# Altium PCB v2 PT1000_16CH.PCBDOC (part 3 of 5) (continued)
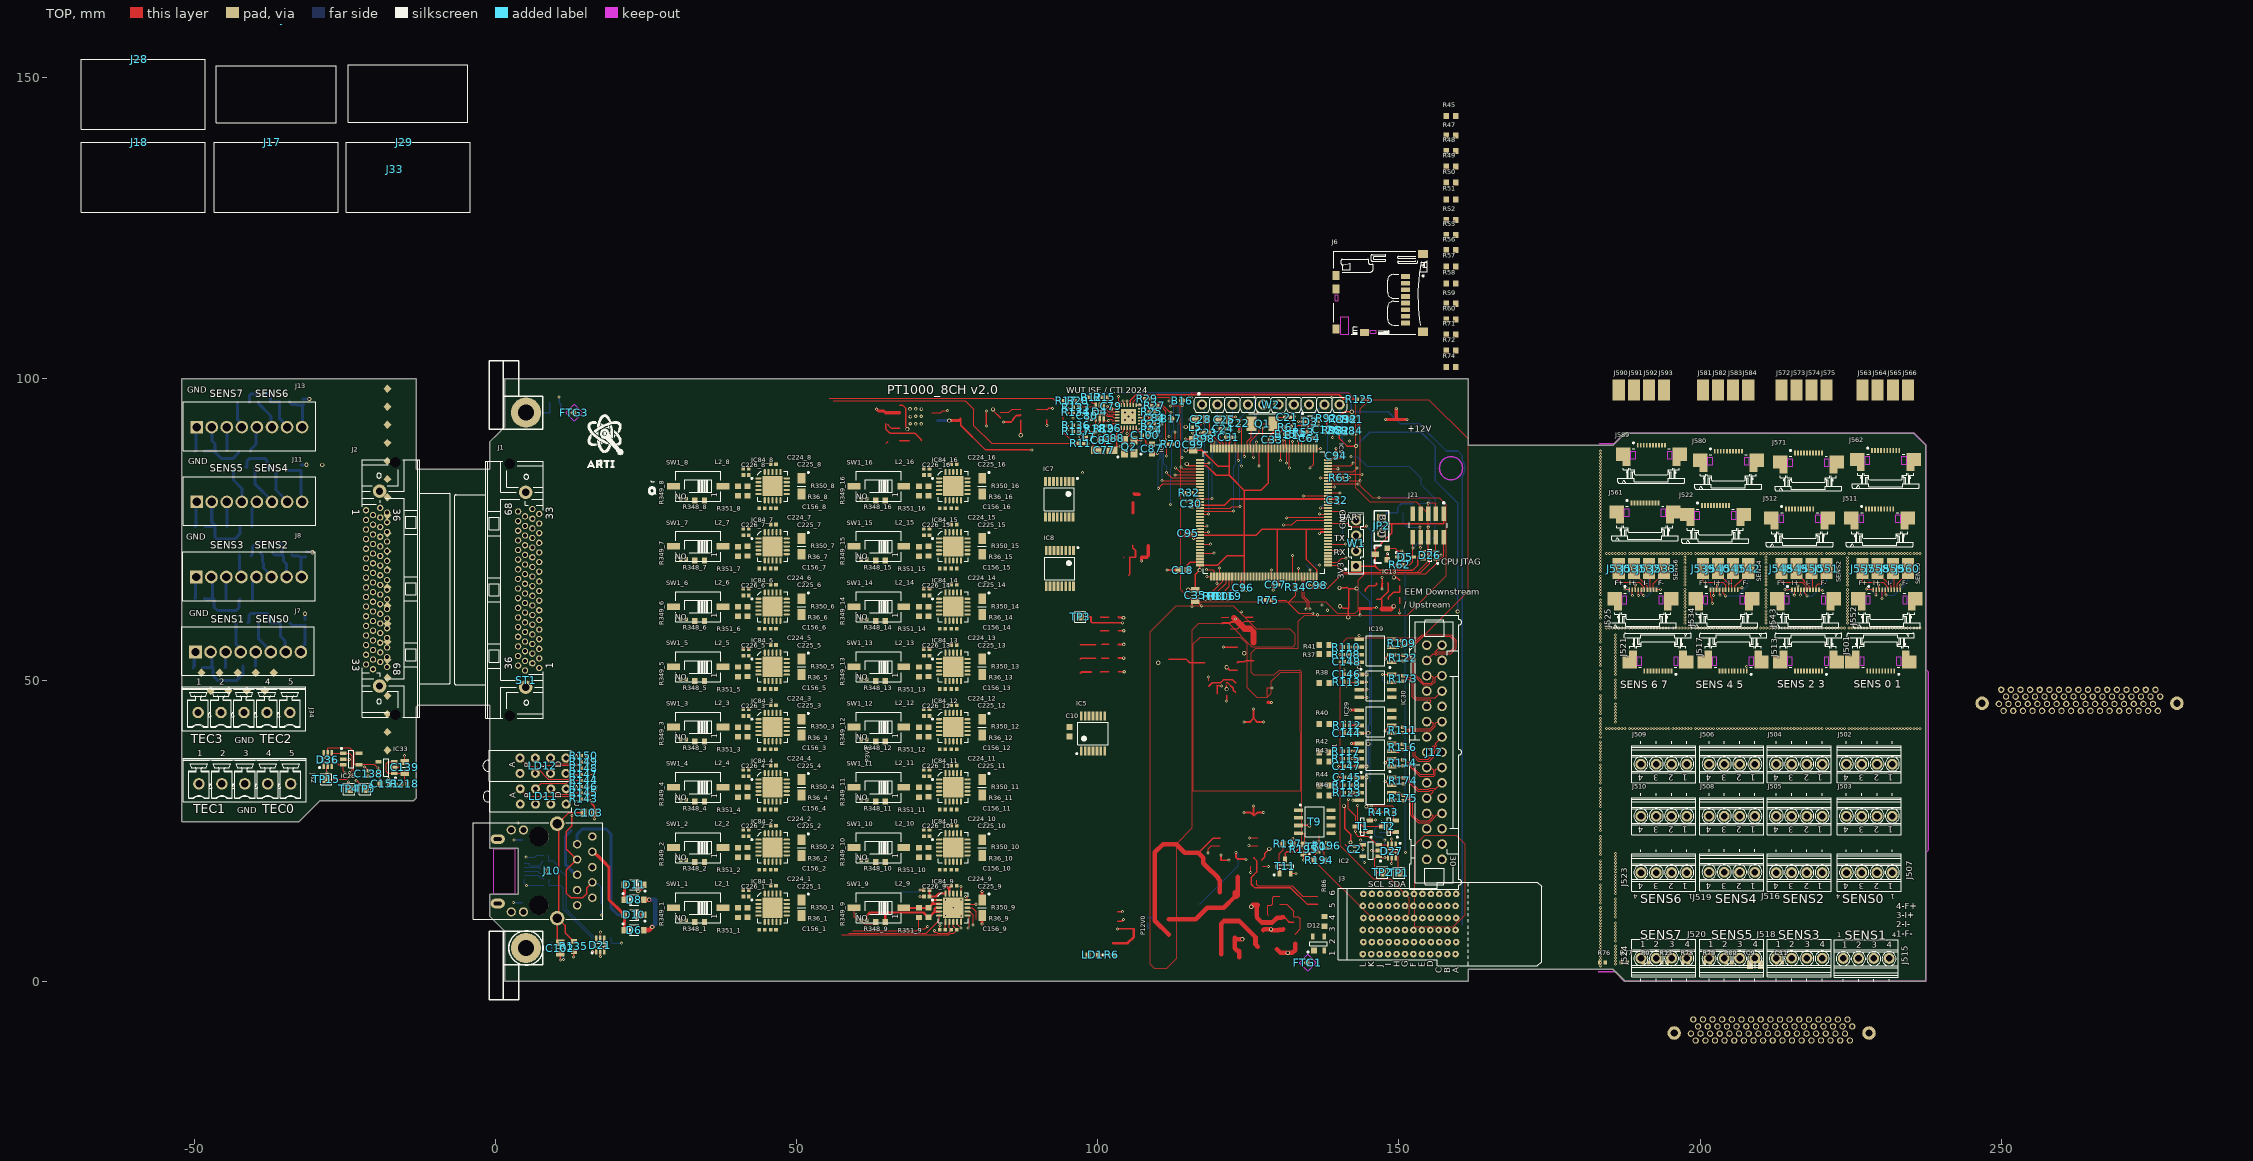
[diagram p0: TOP view]
## Nets (pads, with @x,y where several pads share a name; then routed paths per layer and width w, separated by ;. In a path a pad name is that pad's centre, name@x,y a point inside that pad or via, vN(x,y) a via of type N, cw(c..) or ccw(c..) an arc to the next point about the centre after c; other vN are vias at no path point) (continued)
  TOP w0.127: R143.1@15.135,30.256 15.135,30.276 16.535,31.676 v1(16.595,31.676) ; v1(130.85,75.775) 132.217,75.775 133.01,76.569 IC9.124@138.203,76.569
LED1: IC9.125 R144.1 | length 7.9
  TOP w0.127: R144.1@15.135,33.337 v1(16.055,33.337) ; v1(131.3,76.946) 131.361,77.007 138.142,77.007 IC9.125@138.203,77.069
LED2: IC9.59 R145.1 | length 3.2
  TOP w0.127: R145.1@15.135,31.283 15.615,31.283 16.067,31.735 16.067,31.771 16.519,32.223 16.628,32.223 v1(16.699,32.295) ; IC9.59@116.953,75.569 116.956,75.572 118.097,75.572 v1(118.1,75.575)
LED3: IC9.63 R146.1 | length 2
  TOP w0.127: R146.1@15.135,32.31 15.143,32.319 v1(15.991,32.319) ; v1(115.864,73.494) 116.078,73.494 116.153,73.569 IC9.63@116.953,73.569
LED4: IC9.65 R147.1 | length 2.8
  TOP w0.127: R147.1@15.135,34.364 v1(16.169,34.364) ; IC9.65@116.953,72.569 v1(118.7,72.569)
LED5: IC9.132 R148.1 | length 5.2
  TOP w0.127: R148.1@15.135,35.391 v1(16.34,35.391) ; v1(134.175,80.573) 134.177,80.571 138.201,80.571 IC9.132@138.203,80.569
LED6: IC9.68 R149.1 | length 3.5
  TOP w0.127: R149.1@15.135,36.418 15.41,36.142 v1(16.152,36.142) ; IC9.68@116.953,71.069 v1(119.304,71.069)
LED7: IC9.93 R150.1 | length 2.4
  TOP w0.127: R150.1@15.135,37.445 15.802,36.777 v1(16.176,36.777) ; IC9.93@128.828,67.194 v1(128.828,68.3)
LEDR: IC11.2 R17.1 R28.1 | length 18.5
  TOP w0.152: v1(95.554,89.85) 94.223,91.181 94.223,95.332 95.03,96.14 95.05,96.14 95.264,96.354 R17.1@95.264,96.374 96.264,96.374 R28.1@96.288,96.35 ; v1(103.87,90.942) 104.306,91.378 104.306,91.836 IC11.2@104.37,91.9
  L2 w0.152: v1(95.554,89.85) 98.67,89.85 99.014,90.195 103.122,90.195 v1(103.87,90.942)
LEDY: IC11.3 R11.1 | length 8.9
  TOP w0.152: R11.1@97.67,89.3 97.783,89.187 v1(98.402,89.187) ; v1(104.87,90.941) IC11.3@104.87,91.9
  L2 w0.152: v1(98.402,89.187) 99.13,89.915 103.844,89.915 v1(104.87,90.941)
LVDS0_N: IC19.4 IC23.5 J12.3 R47.2 R109.2 | length 19.1
  TOP w0.152: v1(149.835,56.569) 149.929,56.569 149.996,56.502 150.443,56.502 R109.2@150.495,56.554 150.515,56.554 150.729,56.34 150.729,56.325 150.818,56.236 152.558,56.236 153.869,57.547 158.578,57.547 159.504,56.62 159.504,55.31 158.563,54.369 156.585,54.369 156.396,54.18 156.018,54.18 155.84,54.358 155.714,54.358 J12.3@154.614,53.258
  BOT w0.127: IC23.5@148.794,56.751 148.979,56.566 v1@149.835,56.566
LVDS0_P: IC19.3 IC23.6 J12.2 R45.2 R109.1 | length 17.8
  TOP w0.152: v1(149.835,55.431) 149.929,55.431 149.996,55.498 150.379,55.498 R109.1@150.495,55.614 150.515,55.614 150.729,55.828 150.729,55.843 150.818,55.932 152.684,55.932 153.995,57.243 158.452,57.243 158.685,57.01 158.9,56.794 159.2,56.494 159.2,55.436 158.436,54.673 156.459,54.673 156.27,54.484 156.144,54.484 156.055,54.573 156.055,54.699 J12.2@157.154,55.798
  BOT w0.127: IC23.6@148.794,55.481 148.843,55.431 v1(149.835,55.431)
LVDS1_N: IC19.1 IC23.7 J12.6 R49.2 R122.1 | length 14.9
  TOP w0.152: IC19.1@148.794,52.941 149.269,52.941 149.541,53.213 150.089,53.213 R122.1@150.741,53.213 150.761,53.213 150.975,53.427 150.975,53.442 151.064,53.531 152.148,53.531 152.365,53.313 152.365,50.857 154.021,49.202 155.483,49.202 156.037,49.755 156.037,50.452 156.215,50.63 157.066,50.63 J12.6@157.154,50.718
  BOT w0.127: IC23.7@148.794,54.211 149.724,54.211 150.089,53.847 v1(150.089,53.264)
LVDS1_P: IC19.2 IC23.8 J12.5 R48.2 R122.2 | length 15
  TOP w0.152: v1(147.752,53.507) 147.752,53.581 147.942,53.77 147.942,53.789 148.095,53.942 148.095,53.987 148.319,54.211 IC19.2@148.794,54.211 148.852,54.153 R122.2@150.741,54.153 150.761,54.153 150.975,53.939 150.975,53.924 151.064,53.835 152.274,53.835 152.67,53.44 152.67,50.983 153.156,50.497 153.263,50.39 154.147,49.506 155.357,49.506 155.732,49.882 155.732,50.452 155.553,50.63 154.702,50.63 J12.5@154.614,50.718
  BOT w0.127: v1(147.752,53.507) 147.803,53.457 148.319,52.941 IC23.8@148.794,52.941
LVDS2_N: IC30.7 IC39.1 J12.9 R51.2 R173.1 | length 12.9
  TOP w0.152: IC30.7@148.794,49.667 148.907,49.78 R173.1@150.683,49.78 150.703,49.78 151.07,50.147 151.498,50.147 151.65,50.147 152.233,49.564 152.233,47.261 152.719,46.775 155.231,46.775 155.32,46.686 155.32,46.386 154.614,45.68 J12.9@154.614,45.638
  BOT w0.127: IC39.1@148.794,50.936 149.269,50.936 150.089,50.116 v1(150.089,49.666)
LVDS2_P: IC30.8 IC39.2 J12.8 R50.2 R173.2 | length 15.8
  TOP w0.152: v1(147.287,50.934) 147.289,50.937 150.36,50.937 150.363,50.934 150.469,50.934 R173.2@150.683,50.72 150.703,50.72 150.971,50.452 151.255,50.452 151.776,50.452 152.537,49.69 152.537,47.387 152.845,47.079 155.357,47.079 155.84,47.079 156.055,47.079 J12.8@157.154,48.178
  BOT w0.127: v1(147.287,50.934) 147.287,50.031 147.651,49.666 IC39.2@148.794,49.666
LVDS3_N: IC29.1 IC36.7 J12.12 R55.2 R111.1 | length 11.8
  TOP w0.152: IC29.1@148.794,41.193 148.84,41.24 R111.1@150.647,41.24 150.667,41.24 150.881,41.454 150.881,41.469 150.97,41.558 151.708,41.558 151.73,41.58 155.294,41.58 156.037,42.322 156.037,42.843 156.215,43.022 157.078,43.022 J12.12@157.154,43.098
  BOT w0.127: IC36.7@148.794,42.463 149.724,42.463 150.089,42.099 v1@150.089,41.193
  other v1: 150.039,41.193
LVDS3_P: IC29.2 IC36.8 J12.11 R52.2 R111.2 | length 12
  TOP w0.152: v1(147.651,41.578) 148.118,42.045 148.118,42.239 148.342,42.463 IC29.2@148.794,42.463 149.269,42.463 149.552,42.18 R111.2@150.647,42.18 150.667,42.18 150.881,41.966 150.881,41.951 150.97,41.862 151.582,41.862 151.604,41.884 155.168,41.884 155.732,42.448 155.732,42.843 155.553,43.022 154.691,43.022 J12.11@154.614,43.098
  BOT w0.127: v1(147.651,41.578) 147.681,41.578 147.829,41.43 148.557,41.43 IC36.8@148.794,41.193
LVDS4_N: IC31.4 IC40.5 J12.15 R57.2 R116.2 | length 13.1
  TOP w0.127: IC31.4@148.794,39.466 v1(149.835,39.466) 150.251,39.466 R116.2@150.4,39.317
  TOP w0.152: R116.2@150.6,39.332 150.62,39.332 150.834,39.118 150.834,39.103 150.923,39.014 152.269,39.014 152.712,38.571 152.712,37.469 153.346,36.835 154.903,36.835 155.642,37.575 155.642,38.355 155.929,38.642 155.929,39.029 155.84,39.118 155.714,39.118 J12.15@154.614,38.018
  BOT w0.127: IC40.5@148.794,39.466 v1(149.835,39.466)
LVDS4_P: IC31.3 IC40.6 J12.14 R56.2 R116.1 | length 14.1
  TOP w0.152: IC31.3@148.794,38.196 148.989,38.392 R116.1@150.6,38.392 150.62,38.392 150.834,38.606 150.834,38.621 150.923,38.71 152.143,38.71 152.282,38.571 152.408,38.444 152.408,37.343 152.497,37.254 153.22,36.531 155.029,36.531 155.947,37.449 155.947,38.229 156.233,38.516 156.233,39.155 156.055,39.333 156.055,39.459 J12.14@157.154,40.558
  BOT w0.127: IC40.6@148.794,38.196 v1(149.835,38.196)
LVDS5_N: IC31.1 IC40.7 J12.18 R59.2 R114.1 | length 12.5
  TOP w0.152: IC31.1@148.794,35.656 148.942,35.805 R114.1@150.667,35.805 150.687,35.805 150.901,36.019 150.901,36.034 150.99,36.123 151.205,36.123 151.323,36.004 151.478,36.004 152.193,35.289 152.193,35.266 153.362,34.096 153.398,34.096 153.436,34.058 155.784,34.058 156.037,34.31 156.037,35.069 156.225,35.258 156.934,35.258 J12.18@157.154,35.478
  BOT w0.127: IC40.7@148.794,36.926 149.269,36.926 149.505,36.69 149.505,36.414 149.988,35.932 v1(149.988,35.656)
LVDS5_P: IC31.2 IC40.8 J12.17 R58.2 R114.2 | length 12.7
  TOP w0.152: v1(147.725,36.275) 148.095,36.645 148.095,36.702 148.319,36.926 IC31.2@148.794,36.926 148.975,36.745 R114.2@150.667,36.745 150.687,36.745 150.901,36.531 150.901,36.516 150.99,36.427 151.485,36.427 152.497,35.415 152.497,35.392 152.737,35.152 153.552,34.337 155.669,34.337 155.758,34.426 155.758,35.044 155.544,35.258 154.835,35.258 J12.17@154.614,35.478
  BOT w0.127: v1(147.725,36.275) 147.725,36.25 148.319,35.656 IC40.8@148.794,35.656
LVDS6_N: IC32.7 IC41.1 J12.21 R71.2 R174.1 | length 12.3
  TOP w0.152: v1(147.725,33.197) 148.126,32.796 148.126,32.784 148.35,32.56 IC32.7@148.825,32.56 149.3,32.56 149.544,32.804 R174.1@150.741,32.804 150.761,32.804 150.975,33.018 150.975,33.033 151.064,33.122 151.525,33.122 153.11,31.537 155.062,31.537 155.238,31.713 155.625,31.713 155.714,31.624 155.714,31.498 J12.21@154.614,30.398
  BOT w0.127: v1(147.725,33.197) 147.725,33.205 148.35,33.83 IC41.1@148.825,33.83
LVDS6_P: IC32.8 IC41.2 J12.20 R60.2 R174.2 | length 11.8
  TOP w0.152: IC32.8@148.825,33.83 148.911,33.744 R174.2@150.741,33.744 150.761,33.744 150.975,33.53 150.975,33.515 151.064,33.426 151.651,33.426 152.157,32.92 152.448,32.63 153.236,31.842 154.936,31.842 155.112,32.017 155.751,32.017 155.929,31.839 156.055,31.839 J12.20@157.154,32.938
  BOT w0.127: IC41.2@148.825,32.56 149.3,32.56 149.537,32.797 149.537,33.197 150.089,33.749 v1(150.089,33.83)
LVDS7_N: IC32.5 IC41.4 J12.24 R74.2 R175.2 | length 13.3
  TOP w0.152: IC32.5@148.825,30.02 148.917,29.928 R175.2@150.741,29.928 150.761,29.928 150.975,30.142 150.975,30.157 151.064,30.246 151.536,30.246 151.977,29.805 151.977,27.518 153.174,26.321 155.055,26.321 156.037,27.303 156.037,27.429 156.235,27.628 156.924,27.628 J12.24@157.154,27.858
  BOT w0.127: IC41.4@148.825,30.02 v1(149.988,30.02)
LVDS7_P: IC32.6 IC41.3 J12.23 R72.2 R175.1 | length 12.9
  TOP w0.152: IC32.6@148.825,31.29 v1(149.988,31.29) 150.292,30.986 150.624,30.986 R175.1@150.741,30.868 150.761,30.868 150.975,30.654 150.975,30.64 151.064,30.551 151.662,30.551 151.797,30.415 152.282,29.931 152.282,27.644 152.497,27.429 153.3,26.626 154.929,26.626 155.669,27.366 155.669,27.492 155.533,27.628 154.845,27.628 J12.23@154.614,27.858
  BOT w0.127: IC41.3@148.825,31.29 v1(149.988,31.29)
MAX_CH_A0: IC7.1 IC8.1 IC9.141 R42.1 | length 1.7
  TOP w0.127: IC9.141@138.203,85.069 138.214,85.079 139.842,85.079 v1(139.852,85.09)
MAX_CH_A1: IC7.2 IC8.2 IC9.142 R43.1 | length 4.4
  TOP w0.127: IC9.142@138.203,85.569 139.997,85.569 141.983,85.569 142.41,85.996 v1(142.41,86.02)
MAX_CH_A2: IC7.3 IC8.3 IC9.1 R44.1 | length 41.8
  TOP w0.127: IC9.1@136.328,88.444 136.939,88.444 v1(136.951,88.455)
  L2 w0.127: v1(97.48,84.43) 109.556,84.43 112.754,87.628 115.759,87.628 116.153,88.023 136.518,88.023 v1(136.951,88.455)
MAX_CH_A3: IC7.5 IC8.6 IC9.2 R46.1 | length 3.4
  TOP w0.127: v1(135.228,85.244) 135.828,85.843 135.828,86.842 IC9.2@135.828,88.444
MAX_CS00: IC7.15 IC84_1.13
MAX_CS01: IC7.14 IC84_2.13
MAX_CS02: IC7.13 IC84_3.13
MAX_CS03: IC7.12 IC84_4.13
MAX_CS04: IC7.11 IC84_5.13
MAX_CS05: IC7.10 IC84_6.13
MAX_CS06: IC7.9 IC84_7.13
MAX_CS07: IC7.7 IC84_8.13
MAX_CS08: IC8.15 IC84_9.13 | length 3
  TOP w0.2: IC84_9.13@78.35,12.2 78.377,12.174 79.115,12.174 79.787,11.502 79.787,10.249
MAX_CS09: IC8.14 IC84_10.13
MAX_CS10: IC8.13 IC84_11.13
MAX_CS11: IC8.12 IC84_12.13
MAX_CS12: IC8.11 IC84_13.13
MAX_CS13: IC8.10 IC84_14.13
MAX_CS14: IC8.9 IC84_15.13
MAX_CS15: IC8.7 IC84_16.13
NetC17_2: C17.2 IC9.106 | length 2.3
  TOP w0.127: v1(135.228,68.3) 135.328,68.2 IC9.106@135.328,67.194
  BOT w0.127: C17.2@134.519,69.119 135.157,68.481 135.157,68.371 v1(135.228,68.3)
NetC18_2: C18.2 IC9.71 | length 3.1
  TOP w0.254: C18.2@114.862,68.269 114.862,69.104 115.327,69.569 IC9.71@116.953,69.569
NetC21_1: C21.1 IC9.23 Q1.1 | length 9.2
  TOP w0.127: IC9.23@125.328,88.444 125.328,89.675 126.774,91.121 126.774,91.862 127.496,92.584 Q1.1@129.217,92.584 130.004,93.371 130.004,93.63 C21.1@131.035,93.63
NetC22_1: C22.1 IC9.24 Q1.2 | length 6.8
  TOP w0.127: C22.1@123.435,93.107 123.578,93.25 124.389,93.25 124.851,93.25 Q1.2@125.517,92.584 125.5,92.567 125.5,90.3 124.828,89.628 IC9.24@124.828,88.444
NetC23_1: C23.1 C28.2 IC9.33 L5.1 | length 7.8
  TOP w0.127: L5.1@116.613,91.951 117.335,92.673 117.891,92.673 C28.2@118.144,92.926 ; C28.2@118.022,93.301 118.144,93.179 C28.2@118.144,92.926 ; IC9.33@120.328,88.444 120.328,89.319 C23.1@118.547,91.1 118.547,92.524 118.533,92.537 118.533,92.64 118.247,92.926 C28.2@118.144,92.926
NetC24_1: C24.1 C25.2 IC9.32 R70.1 | length 15.1
  TOP w0.127: R70.1@112.621,89.175 112.824,89.378 v1(112.824,91.175) ; C25.2@120.051,93.262 120.328,92.985 120.328,91.732 120.258,91.662 v1@120.258,91.025 ; v1(120.258,90.978) 120.328,90.908 120.328,89.85 120.828,89.35 IC9.32@120.828,88.444
  L2 w0.127: v1(112.824,91.175) 113.152,91.503 113.257,91.503 115.885,91.471 116.481,91.393 ccw(c116.549,91.93) 116.862,91.489 119.702,91.534 v1(120.258,90.978)
NetC36_2: C36.2 IC11.4 Q2.3 | length 5.1
  TOP w0.127: v1(103.693,88.75) 103.977,89.034 103.977,89.407 Q2.3@104.42,89.85 104.42,89.975 104.931,90.487 105.038,90.487 105.37,90.818 IC11.4@105.37,91.9
  BOT w0.127: v1@103.795,88.85 C36.2@104.67,89.725
NetC64_1: C64.1 IC9.6 | length 2.3
  TOP w0.127: IC9.6@133.828,88.444 133.828,89.537 134.232,89.941 134.506,89.941 C64.1@134.753,90.187
NetC65_2: C65.2 IC11.5 Q2.1 | length 5.4
  TOP w0.127: v1(105.668,88.75) 105.668,88.002 Q2.1@106.02,87.65 ; v1(105.87,91.03) IC11.5@105.87,91.9
  L2 w0.127: v1(105.668,88.75) 105.668,90.727 105.87,90.929 v1(105.87,91.03)
  BOT w0.127: C65.2@105.139,88.005 105.596,88.462 105.596,88.679 v1(105.668,88.75)
NetC87_2: C87.2 C100.2 IC11.6 | length 4.3
  TOP w0.254: IC11.6@106.37,91.9 106.383,91.887 106.383,91.682 106.797,91.268 106.797,91.223 107.578,90.442 107.578,90.129 107.937,89.769 107.937,89.361 108.123,89.175 C87.2@108.97,89.175
NetC102_1: C102.1 C103.1 J10.S1 J10.S2 R135.2 | length 30.5
  TOP w0.254: J10.S2@10.239,10.465 10.239,6.81 10.637,6.412 C102.1@10.754,6.412 ; J10.S2@10.239,10.565 10.434,10.37 J10.S2@10.504,10.3 ; R135.2@13,6.6 12.95,6.6 12.627,6.923 12.627,6.973 11.547,8.053 11.547,9.257 J10.S2@10.504,10.3 ; C103.1@14.6,28 12.184,28 10.239,26.055 10.504,25.79 J10.S2@10.504,10.3
NetC109_2: C109.2 D21.5 FB1.1 R73.2 | length 20.2
  TOP w0.127: D21.5@17.4,7.1 17.4,8.135 v1(17.404,8.138)
  BOT w0.127: C109.2@8.823,20.955 8.858,20.92 FB1.1@8.858,20.005 9.545,20.005 10.268,19.282 10.268,18.86 11.719,17.408 11.719,11.929 16.373,7.275 R73.2@17.575,7.275 ; R73.2@17.404,7.397 v1(17.404,8.138)
NetC128_2: C128.2 J7.8 L10.1 R155.2 | length 7.3
  BOT w0.5: R155.2@-34.125,59.461 -34.125,59.411 -33.925,59.211 -33.875,59.211 -33.767,59.103 L10.1@-32.715,59.103 -31.684,59.103 C128.2@-31.623,59.164 -31.623,55.891 -32.323,55.191 J7.8@-32.323,54.812
NetC129_2: C129.2 J8.8 L11.1 R161.2 | length 5.4
  BOT w0.5: R161.2@-33.82,70.841 -33.82,70.791 -33.62,70.591 -32.643,70.591 L11.1@-32.487,70.434 ; J8.8@-32.309,67.437 -32.325,67.453 -32.325,70.356 -32.375,70.406 L11.1@-32.385,70.406 -32.335,70.456 -31.576,70.456 C129.2@-31.521,70.51
NetC130_2: C130.2 J11.8 L12.1 R166.2 | length 7.9
  BOT w0.5: R166.2@-34.849,85.242 -34.849,85.192 -34.449,84.792 C130.2@-32.334,84.792 -32.274,84.732 -32.274,79.884 J11.8@-32.123,79.732
NetC131_2: C131.2 J13.8 L13.1 R180.2 | length 6.3
  BOT w0.5: R180.2@-34.252,96.215 -34.252,96.165 -33.841,95.754 -33.07,95.754 L13.1@-33.02,95.704 C131.2@-32.014,95.704 ; C131.2@-32.004,95.714 C131.2@-32.014,95.704 ; J13.8@-31.902,92.1 -32.063,92.261 -32.063,95.656 C131.2@-32.014,95.704 ; C131.2@-31.877,95.758 -31.931,95.704 C131.2@-32.014,95.704
NetC139_1: C139.1 IC33.1 IC33.3 R218.2 | length 8
  TOP w0.127: IC33.3@-16.846,36.45 -17.804,36.45 -18.186,36.068 -18.186,34.823 -17.913,34.55 IC33.1@-16.846,34.55 -15.146,34.55 C139.1@-15.096,34.6 -15.096,33.24 -14.626,32.77 R218.2@-14.626,32.75
NetC160_1: C160.1 R220.2 ST1.1 | length 5.8
  BOT w0.254: ST1.1@5.056,94.412 8.925,94.412 C160.1@9.025,94.312 9.025,95.991 R220.2@8.942,96.074
NetC161_1: C161.1 R223.2 ST1.0 | length 6.3
  BOT w0.254: ST1.0@5.056,5.512 7.863,5.512 8.475,4.9 9.289,4.9 C161.1@9.307,4.883 ; R223.2@9.307,6.487 C161.1@9.307,4.883 ; C161.1@9.439,4.75 C161.1@9.307,4.883
NetC226_1_2: C226_1.2 IC84_1.20 L2_1.1
NetC226_2_2: C226_2.2 IC84_2.20 L2_2.1
NetC226_3_2: C226_3.2 IC84_3.20 L2_3.1
NetC226_4_2: C226_4.2 IC84_4.20 L2_4.1
NetC226_5_2: C226_5.2 IC84_5.20 L2_5.1
NetC226_6_2: C226_6.2 IC84_6.20 L2_6.1
NetC226_7_2: C226_7.2 IC84_7.20 L2_7.1
NetC226_8_2: C226_8.2 IC84_8.20 L2_8.1
NetC226_9_2: C226_9.2 IC84_9.20 L2_9.1 | length 4
  TOP w0.381: L2_9.1@72.083,15.186 72.066,15.17 72.066,14.067 C226_9.2@72.05,14.05 73.117,14.05 73.617,14.55 IC84_9.20@74.7,14.55
NetC226_10_2: C226_10.2 IC84_10.20 L2_10.1
NetC226_11_2: C226_11.2 IC84_11.20 L2_11.1
NetC226_12_2: C226_12.2 IC84_12.20 L2_12.1
NetC226_13_2: C226_13.2 IC84_13.20 L2_13.1
NetC226_14_2: C226_14.2 IC84_14.20 L2_14.1
NetC226_15_2: C226_15.2 IC84_15.20 L2_15.1
NetC226_16_2: C226_16.2 IC84_16.20 L2_16.1
NetFB1_2: FB1.2 J9.1 | length 3.8
  BOT w0.127: J9.1@4.8,19.55 5.485,19.55 5.559,19.476 5.559,19.321 5.671,19.209 7.329,19.209 7.701,19.582 7.701,19.769 FB1.2@7.938,20.005
NetFB2_2: FB2.2 J9.4 | length 3.5
  BOT w0.127: J9.4@4.8,17.6 7.019,17.6 7.448,17.171 7.789,17.171 8.025,16.935 FB2.2@8.025,16.925
NetIC1_3: IC1.3 R5.2 R6.1 | length 6.6
  TOP w0.127: 138.203,78.069 138.25,78.022 140.613,78.022 v1(140.66,77.975)
  BOT w0.127: v1(140.66,73.88) v1(140.66,77.975)
NetIC9_48: IC9.48 R32.1 | length 2.3
  TOP w0.127: v1(113.787,80.985) 113.793,80.979 114.153,80.979 114.243,81.069 R32.1@114.683,81.069 ; 115.623,81.069 IC9.48@116.953,81.069
NetIC9_101: IC9.101 R34.1 | length 1.3
  TOP w0.127: R34.1@132.828,65.869 IC9.101@132.828,67.194
NetIC9_114: IC9.114 R197.2 T11.1 | length 8.4
  TOP w0.127: v1(129.45,22.784) R197.2@130.75,22.784 130.75,22.734 130.75,21.816 130.137,21.203 T11.1@130.137,17.921 ; IC9.114@138.203,71.569 138.223,71.548 140.18,71.548 v1(140.2,71.528)
NetIC9_138: IC9.138 JP2.2 R63.1 | length 19.2
  TOP w0.127: v1(136.951,83.569) IC9.138@138.203,83.569 139.699,83.569 R63.1@139.73,83.6
  L2 w0.127: v1(136.951,83.569) 136.951,82.049 138.65,80.35 142.653,80.35 145.247,77.756 145.247,75.103 146.029,74.321 JP2.2@147.131,74.321
NetIC11_7: IC11.7 R21.2 R24.2 | length 2.7
  TOP w0.127: IC11.7@107.02,92.55 107.225,92.55 107.773,92.001 107.773,91.946 107.873,91.847 107.928,91.847 108.001,91.774 108.326,91.774 R24.2@108.5,91.6
  BOT w0.127: v1(107.845,91.774) 107.892,91.822 108.248,91.822 108.475,91.595 R21.2@108.475,91.575
NetIC11_8: IC11.8 R20.2 R23.2 | length 2.3
  TOP w0.127: IC11.8@107.02,93.05 107.505,93.05 107.778,92.777 107.778,92.722 107.873,92.628 v1@107.927,92.628 ; v1@108.005,92.55 R23.2@108.506,92.55
  BOT w0.127: v1(107.85,92.55) R20.2@108.506,92.55
NetIC11_10: IC11.10 R25.1 | length 1.7
  TOP w0.127: IC11.10@107.02,94.05 107.863,94.05 107.937,94.124 108.1,94.124 108.506,94.53 R25.1@108.506,94.55
NetIC11_11: IC11.11 R22.2 R27.2 | length 3.5
  TOP w0.127: IC11.11@107.02,94.55 107.555,94.55 108.094,95.089 108.094,95.489 v1@108.127,95.522 ; v1(108.102,95.529) 108.962,95.529 R27.2@108.97,95.522
  BOT w0.127: v1(108.102,95.529) 108.937,95.529 R22.2@108.945,95.522
NetIC11_14: IC11.14 R29.2 R99.2 | length 3.6
  TOP w0.127: IC11.14@105.87,95.7 105.87,96.235 106.514,96.88 107.593,96.88 R29.2@107.778,96.695
  BOT w0.127: v1(107.055,96.88) 107.613,96.88 R99.2@107.778,97.045
NetIC11_24: IC11.24 R26.1 | length 1.2
  TOP w0.254: R26.1@102.145,92.245 102.165,92.245 102.47,92.55 IC11.24@103.22,92.55
NetIC19_6: IC19.6 IC23.3 R110.2 | length 2.7
  TOP w0.127: R110.2@141.68,55.48 v1(142.235,55.48) ; v1@142.344,55.481 IC19.6@143.394,55.481
  BOT w0.127: v1@142.344,55.481 IC23.3@143.394,55.481
NetIC19_7: IC19.7 IC23.2 R108.2 | length 2.7
  TOP w0.254: R108.2@141.748,54.211 v1(142.344,54.211) IC19.7@143.394,54.211
  BOT w0.254: v1(142.344,54.211) IC23.2@143.394,54.211
NetIC29_7: IC29.7 IC36.2 R112.2 | length 4
  TOP w0.254: v1(141.845,43.085) R112.2@141.845,42.463 IC29.7@143.394,42.463
  BOT w0.254: v1(141.845,43.085) 141.892,43.038 142.344,43.038 142.919,42.463 IC36.2@143.394,42.463
NetIC30_2: IC30.2 IC39.7 R113.2 | length 4
  TOP w0.127: R113.2@141.782,49.667 IC30.2@143.394,49.667 ; IC30.2@143.394,49.667 v1(144.602,49.666)
  BOT w0.127: IC39.7@143.394,49.666 v1(144.602,49.666)
NetIC31_6: IC31.6 IC40.3 R117.2 | length 2.8
  TOP w0.254: R117.2@141.79,38.196 v1(142.235,38.196) IC31.6@143.394,38.196
  BOT w0.254: v1(142.235,38.196) IC40.3@143.394,38.196
NetIC31_7: IC31.7 IC40.2 R115.2 | length 2.8
  TOP w0.254: R115.2@141.727,36.926 v1@142.24,36.926 ; v1@142.271,36.926 IC31.7@143.394,36.926
  BOT w0.254: v1(142.24,36.957) 142.271,36.926 IC40.2@143.394,36.926
NetIC32_2: IC32.2 IC41.7 R118.2 | length 2.7
  TOP w0.127: R118.2@141.79,32.56 v1@142.342,32.56 ; v1@142.37,32.56 IC32.2@143.425,32.56
  BOT w0.127: v1(142.342,32.563) 142.344,32.56 IC41.7@143.425,32.56
NetIC32_3: IC32.3 IC41.6 R123.2 | length 2.6
  TOP w0.127: R123.2@141.845,31.29 IC32.3@143.425,31.29
  BOT w0.127: v1(142.392,31.293) 142.395,31.29 IC41.6@143.425,31.29
NetIC84_1_1: IC84_1.1 IC84_1.2 R350_1.1 R351_1.1 SW1_1.1
NetIC84_1_3: IC84_1.3 IC84_1.4 R348_1.1 R349_1.1 R350_1.2
NetIC84_1_6: IC84_1.6 R36_1.2
NetIC84_2_1: IC84_2.1 IC84_2.2 R350_2.1 R351_2.1 SW1_2.1
NetIC84_2_3: IC84_2.3 IC84_2.4 R348_2.1 R349_2.1 R350_2.2
NetIC84_2_6: IC84_2.6 R36_2.2
NetIC84_3_1: IC84_3.1 IC84_3.2 R350_3.1 R351_3.1 SW1_3.1
NetIC84_3_3: IC84_3.3 IC84_3.4 R348_3.1 R349_3.1 R350_3.2
NetIC84_3_6: IC84_3.6 R36_3.2
NetIC84_4_1: IC84_4.1 IC84_4.2 R350_4.1 R351_4.1 SW1_4.1
NetIC84_4_3: IC84_4.3 IC84_4.4 R348_4.1 R349_4.1 R350_4.2
NetIC84_4_6: IC84_4.6 R36_4.2
NetIC84_5_1: IC84_5.1 IC84_5.2 R350_5.1 R351_5.1 SW1_5.1
NetIC84_5_3: IC84_5.3 IC84_5.4 R348_5.1 R349_5.1 R350_5.2
NetIC84_5_6: IC84_5.6 R36_5.2
NetIC84_6_1: IC84_6.1 IC84_6.2 R350_6.1 R351_6.1 SW1_6.1
NetIC84_6_3: IC84_6.3 IC84_6.4 R348_6.1 R349_6.1 R350_6.2
NetIC84_6_6: IC84_6.6 R36_6.2
NetIC84_7_1: IC84_7.1 IC84_7.2 R350_7.1 R351_7.1 SW1_7.1
NetIC84_7_3: IC84_7.3 IC84_7.4 R348_7.1 R349_7.1 R350_7.2
NetIC84_7_6: IC84_7.6 R36_7.2
NetIC84_8_1: IC84_8.1 IC84_8.2 R350_8.1 R351_8.1 SW1_8.1
NetIC84_8_3: IC84_8.3 IC84_8.4 R348_8.1 R349_8.1 R350_8.2
NetIC84_8_6: IC84_8.6 R36_8.2
NetIC84_9_1: IC84_9.1 IC84_9.2 R350_9.1 R351_9.1 SW1_9.1 | length 7.8
  TOP w0.381: SW1_9.1@67.773,12.147 70.25,12.147 R351_9.1@70.276,12.174 71.85,12.174 71.873,12.174 71.9,12.2 71.95,12.2 72.209,12.46 72.209,12.506 72.553,12.85 ; IC84_9.2@73.65,12.85 72.553,12.85 ; IC84_9.1@73.65,13.5 72.802,13.5 72.579,13.277 72.579,12.876 72.553,12.85
NetIC84_9_3: IC84_9.3 IC84_9.4 R348_9.1 R349_9.1 R350_9.2 | length 16.5
  TOP w0.381: R349_9.1@61.672,10.121 61.672,10.958 62.112,11.398 64.598,11.398 71.052,11.398 R350_9.2@71.85,10.6 71.9,10.6 71.95,10.6 72.884,11.535 72.884,11.984 73.1,12.2 IC84_9.3@73.65,12.2 ; R348_9.1@64.694,9.818 64.694,11.302 ; 72.884,11.55 IC84_9.4@73.65,11.55
NetIC84_9_6: IC84_9.6 R36_9.2 | length 1.3
  TOP w0.152: R36_9.2@74.7,8.53 IC84_9.6@74.7,9.85
NetIC84_10_1: IC84_10.1 IC84_10.2 R350_10.1 R351_10.1 SW1_10.1
NetIC84_10_3: IC84_10.3 IC84_10.4 R348_10.1 R349_10.1 R350_10.2
NetIC84_10_6: IC84_10.6 R36_10.2
NetIC84_11_1: IC84_11.1 IC84_11.2 R350_11.1 R351_11.1 SW1_11.1
NetIC84_11_3: IC84_11.3 IC84_11.4 R348_11.1 R349_11.1 R350_11.2
NetIC84_11_6: IC84_11.6 R36_11.2
NetIC84_12_1: IC84_12.1 IC84_12.2 R350_12.1 R351_12.1 SW1_12.1
NetIC84_12_3: IC84_12.3 IC84_12.4 R348_12.1 R349_12.1 R350_12.2
NetIC84_12_6: IC84_12.6 R36_12.2
NetIC84_13_1: IC84_13.1 IC84_13.2 R350_13.1 R351_13.1 SW1_13.1
NetIC84_13_3: IC84_13.3 IC84_13.4 R348_13.1 R349_13.1 R350_13.2
NetIC84_13_6: IC84_13.6 R36_13.2
NetIC84_14_1: IC84_14.1 IC84_14.2 R350_14.1 R351_14.1 SW1_14.1
NetIC84_14_3: IC84_14.3 IC84_14.4 R348_14.1 R349_14.1 R350_14.2
NetIC84_14_6: IC84_14.6 R36_14.2
NetIC84_15_1: IC84_15.1 IC84_15.2 R350_15.1 R351_15.1 SW1_15.1
NetIC84_15_3: IC84_15.3 IC84_15.4 R348_15.1 R349_15.1 R350_15.2
NetIC84_15_6: IC84_15.6 R36_15.2
NetIC84_16_1: IC84_16.1 IC84_16.2 R350_16.1 R351_16.1 SW1_16.1
NetIC84_16_3: IC84_16.3 IC84_16.4 R348_16.1 R349_16.1 R350_16.2
NetIC84_16_6: IC84_16.6 R36_16.2
NetJ10_L1: J10.L1 R17.2 | length 39.1
  TOP w0.127: 55.4,96.763 92.539,96.763 92.928,96.374 R17.2@94.324,96.374
NetJ10_L3: J10.L3 R11.2 | length 60.3
  TOP w0.127: 56.077,96.354 78.019,96.354 79.438,94.935 79.438,92.209 82.347,89.3 R11.2@96.73,89.3
  L2 w0.127: v1(3.7,26.25) 3.689,26.239 3.689,23.234 4.639,22.284 J10.L3@4.639,11.51
NetLD1_1: LD1.1 R6.2 | length 1.8
  TOP w0.127: LD1.1@100.018,4.353 101.856,4.353
NetLD11_2: LD11.2 R143.2 | length 10.8
  TOP w0.127: LD11.2@4.099,31.946 5.294,30.752 13.699,30.752 13.948,30.502 13.968,30.502 14.195,30.276 R143.2@14.195,30.256
NetLD11_4: LD11.4 R144.2 | length 8.1
  TOP w0.127: LD11.4@6.639,31.946 7.58,32.887 11.744,32.887 12.195,33.337 R144.2@14.195,33.337
NetLD11_6: LD11.6 R145.2 | length 5.5
  TOP w0.127: LD11.6@9.179,31.946 10.12,31.006 12.627,31.006 12.904,31.283 R145.2@14.195,31.283
NetLD11_8: LD11.8 R146.2 | length 2.6
  TOP w0.127: LD11.8@11.719,31.946 11.836,32.063 13.968,32.063 R146.2@14.195,32.29
NetLD12_2: LD12.2 R147.2 | length 12
  TOP w0.127: LD12.2@4.06,37.052 5.431,35.68 6.761,35.68 7.87,34.572 7.87,34.451 8.75,33.571 12.07,33.571 12.862,34.364 R147.2@14.195,34.364